# Altium PCB controller_V1.0.PcbDoc (part 8 of 8) (continued)
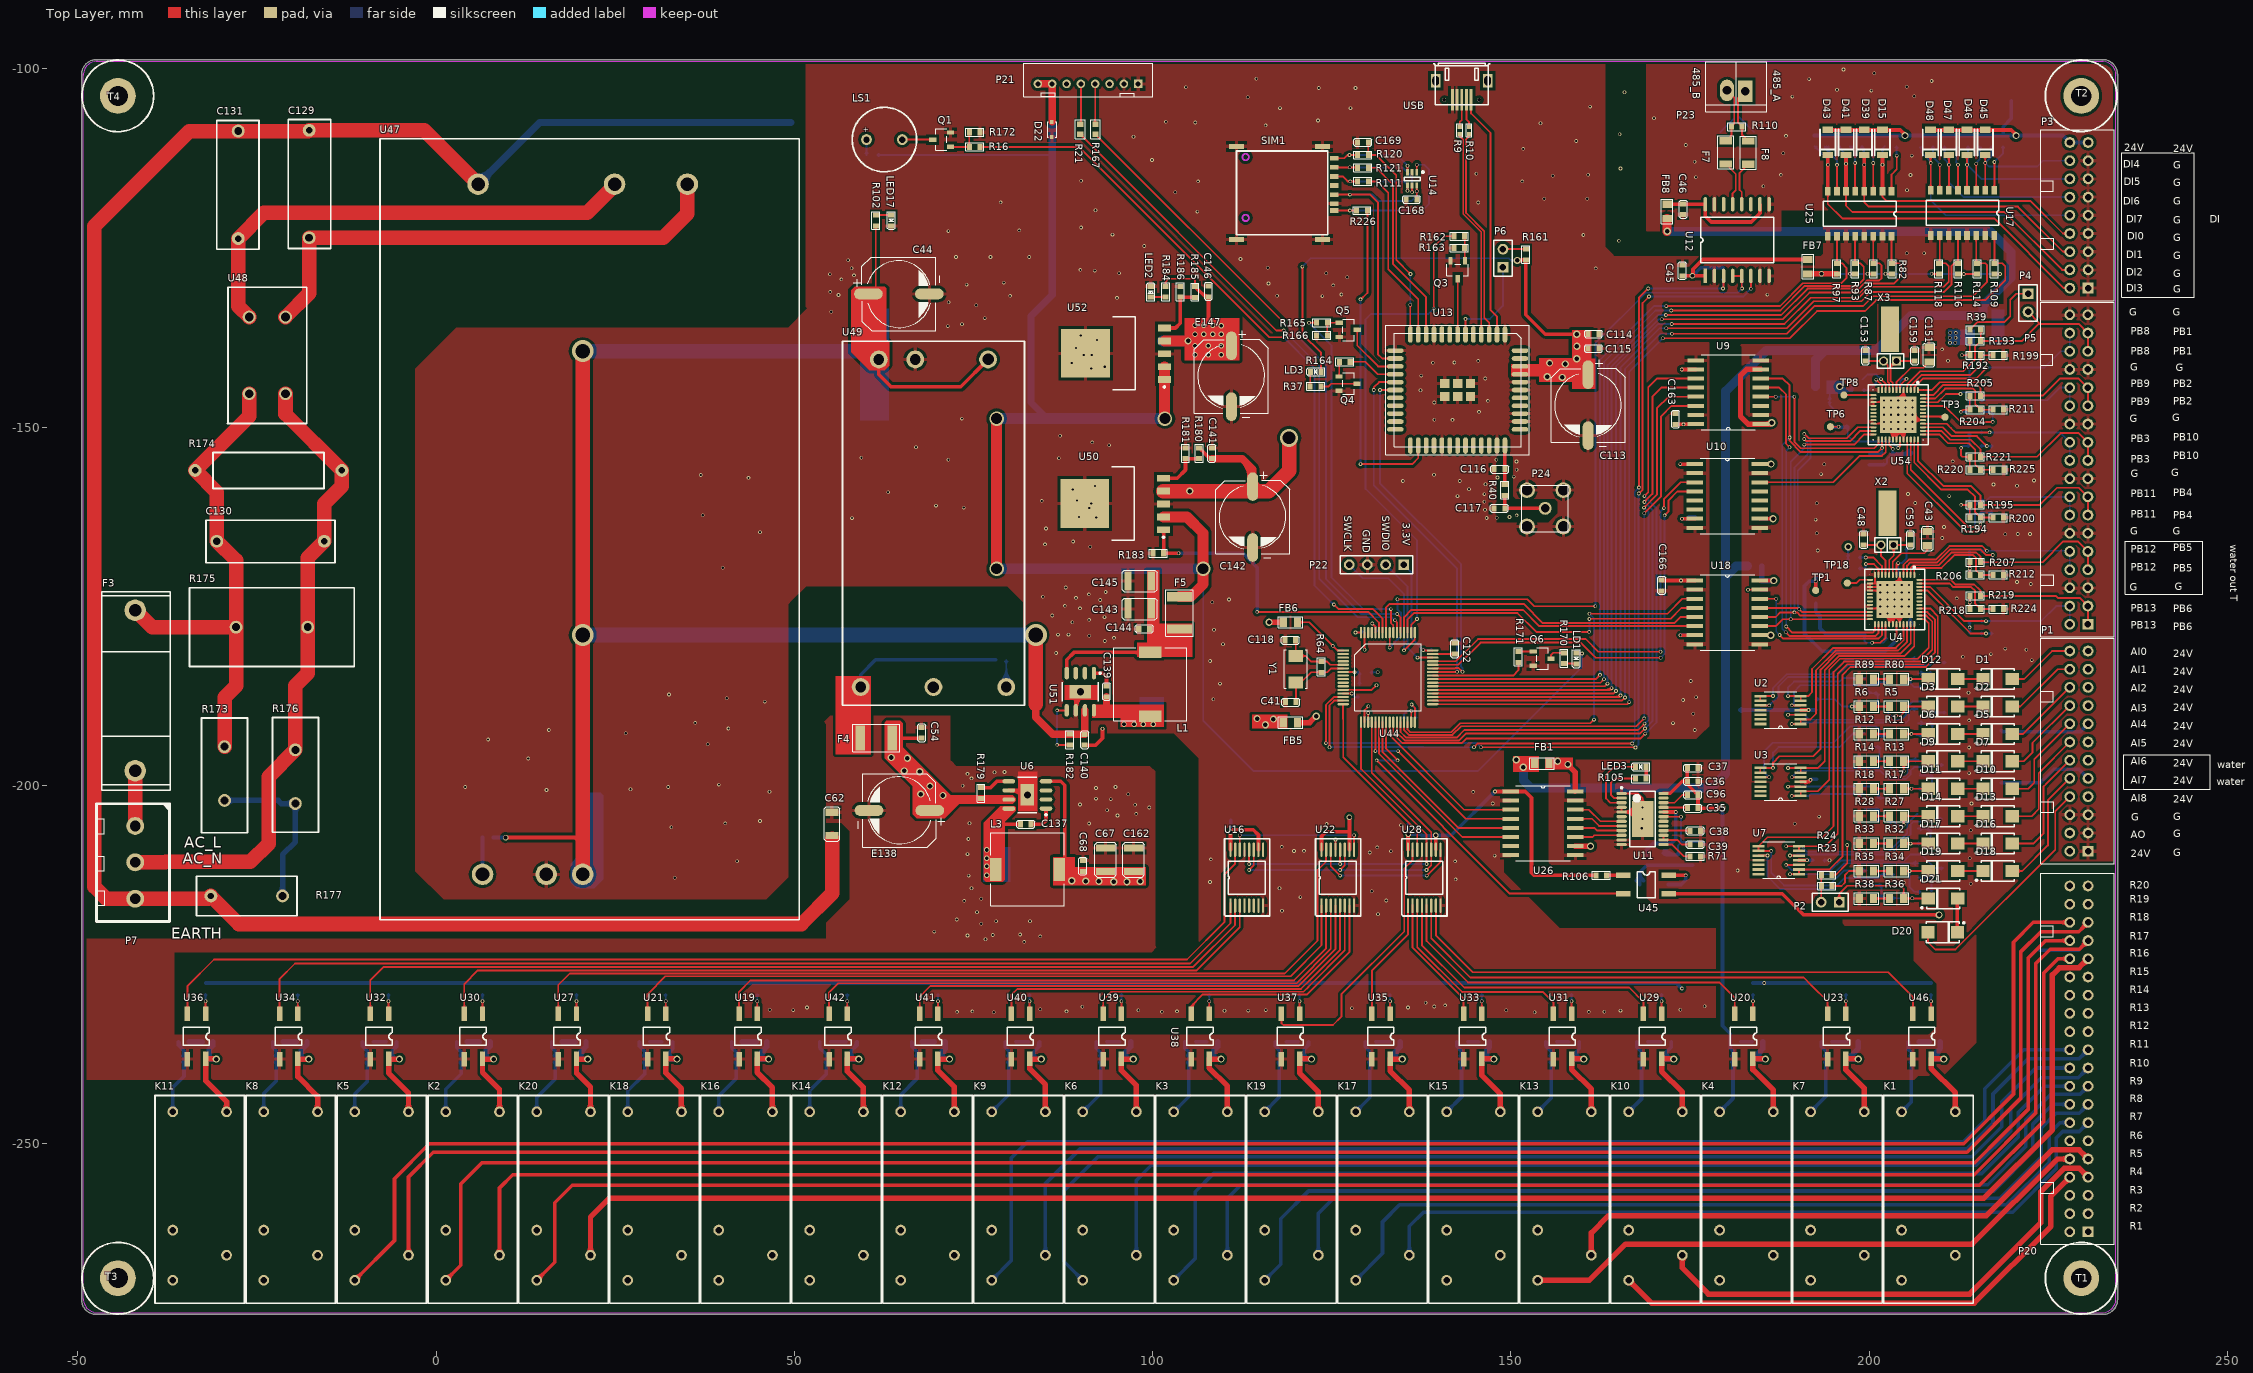
[diagram p0: Top Layer view]
## Polygon pours and split planes (outlines as drawn)
24V_F on VCC "Top Layer-No Net" (solid, pour order 1000): 226.111,-109.271 232.41,-109.271 232.588,-109.449 232.893,-109.753 232.893,-110.49 232.893,-209.245 232.639,-209.499 231.978,-210.16 231.191,-210.16 224.434,-210.16 221.793,-212.801 214.96,-219.634 214.96,-221.844 214.96,-240.589 212.903,-242.646 208.458,-247.091 205.105,-247.091 -38.938,-247.091 -40.818,-245.212 -40.564,-244.958 -40.564,-241.91 -40.564,-241.757 -39.776,-240.97 -39.421,-241.325 59.741,-241.325 59.741,-196.621 61.239,-195.123 61.824,-194.539 66.726,-194.539 68.605,-194.539 70.891,-196.825 72.136,-198.069 72.136,-202.692 72.136,-213.157 68.529,-216.764 66.015,-219.278 66.015,-231.927 66.015,-241.097 66.091,-241.173 71.069,-241.173 71.095,-241.198 133.401,-241.198 133.68,-240.919 134.569,-240.03 202.844,-240.03 206.883,-240.03 210.515,-236.398 210.388,-236.271 210.388,-221.361 210.388,-219.202 213.081,-216.51 224.079,-205.511 224.079,-202.184 224.079,-109.779 224.485,-109.372 224.587,-109.271 226.111,-109.271
5VD_F on VCC "Top Layer-No Net" (solid, pour order 1001): 155.677,-195.961 155.677,-206.172 158.826,-209.321 159.283,-209.779 163.271,-209.779 182.22,-209.779 185.395,-206.604 188.697,-203.302 188.697,-160.833 188.697,-139.268 188.163,-138.735 188.112,-138.786 184.252,-138.786 184.061,-138.786 182.956,-139.891 182.778,-140.068 182.778,-145.059 182.778,-204.241 179.527,-207.493 179.451,-207.416 164.973,-207.416 163.576,-207.416 161.341,-205.181 160.35,-204.191 160.35,-198.882 160.35,-196.723 159.842,-196.215 159.588,-195.961 155.677,-195.961
5VA on VCC "Top Layer-No Net" (solid, pour order 1002): 194.666,-143.548 194.678,-143.535 196.19,-143.535 196.418,-143.535 196.799,-143.916 196.835,-143.88 202.803,-143.88 203.236,-143.88 203.886,-143.231 204.681,-142.435 206.891,-142.435 207.434,-142.435 208.864,-143.866 208.991,-143.993 208.991,-145.009 199.923,-145.009 199.06,-145.872 198.907,-146.025 198.907,-149.581 198.907,-150.978 199.009,-151.079 200.177,-152.248 202.803,-152.248 206.654,-152.248 207.239,-152.832 207.188,-152.883 207.188,-153.949 207.188,-154.559 206.553,-155.194 206.477,-155.27 201.767,-155.27 199.771,-155.27 198.145,-156.896 197.891,-157.15 197.891,-165.811 197.891,-166.811 198.755,-167.674 199.28,-168.199 204.775,-168.199 205.74,-168.199 206.045,-168.504 205.938,-168.61 205.938,-170.113 205.926,-170.113 204.826,-171.213 204.722,-171.316 199.568,-171.316 199.568,-176.505 200,-176.936 200.889,-177.825 202.295,-177.825 203.211,-177.825 203.795,-178.41 204.013,-178.627 204.013,-179.857 204.013,-180.01 203.556,-180.467 203.2,-180.823 197.815,-180.823 197.815,-173.406 196.901,-172.491 194.691,-170.282 194.691,-143.548
3.3V_ISO_AD on VCC "Top Layer-No Net" (solid, pour order 1003): 210.185,-135.89 213.131,-135.89 213.843,-136.601 213.843,-140.335 213.843,-168.58 214.732,-169.469 214.782,-169.52 214.782,-178.638 213.233,-178.638 213.03,-178.435 213.03,-177.343 213.03,-162.281 212.522,-161.773 212.369,-161.62 212.369,-159.334 212.369,-138.963 212.217,-138.811 212.014,-138.608 211.328,-138.608 210.795,-138.608 210.668,-138.481 210.185,-137.998 210.185,-135.89
VCC_5V_ISO on VCC "Top Layer-No Net" (solid, remove dead copper, pour order 1004): 87.503,-212.344 100.355,-212.344 100.355,-221.92 101.575,-223.139 101.676,-223.037 142.57,-223.037 147.523,-223.037 150.571,-219.989 153.111,-217.449 153.111,-203.403 153.111,-201.32 151.181,-199.39 149.708,-197.917 149.708,-196.113 149.708,-196.037 150.317,-195.428 150.419,-195.326 152.349,-195.326 152.883,-195.326 153.619,-196.063 154.788,-197.231 154.788,-200.685 154.788,-219.456 150.876,-223.368 148.336,-225.908 125.552,-225.908 89.891,-225.908 88.011,-224.028 87.503,-223.52 87.503,-212.344
3.3V_ISO on VCC "Top Layer-No Net" (solid, remove dead copper, pour order 1005): 111.709,-193.472 118.262,-193.472 118.872,-192.862 119.939,-191.795 119.939,-184.633 119.939,-165.76 121.844,-163.855 122.072,-163.627 132.588,-163.627 135.484,-163.627 138.1,-166.243 144.069,-172.212 151.816,-172.212 167.183,-172.212 169.215,-174.244 172.364,-177.394 172.364,-180.442 172.364,-181.051 173.431,-182.118 175.819,-182.118 177.495,-182.118 178.079,-181.534 178.562,-181.051 178.562,-179.375 178.562,-132.423 179.197,-131.788 181.064,-129.921 195.504,-129.921 219.05,-129.921 219.786,-129.184 220.015,-128.956 220.015,-126.771 177.927,-126.771 175.412,-129.286 172.212,-132.486 172.212,-142.392 172.212,-167.03 171.653,-167.589 170.79,-168.453 157.582,-168.453 147.879,-168.453 139.852,-160.426 137.947,-158.521 128.041,-158.521 119.431,-158.521 116.357,-155.448 113.386,-152.476 113.386,-141.453 113.386,-134.595 111.343,-132.552 110.998,-132.207 102.718,-132.207 102.286,-132.207 100.127,-134.366 99.492,-135.001 99.492,-140.284 99.492,-147.348 103.985,-151.841 111.963,-159.819 111.963,-193.472
VBAT on VCC "Top Layer-No Net" (solid, remove dead copper, pour order 1006): 118.44,-153.822 157.302,-153.822 161.265,-149.86 161.569,-149.555 161.569,-135.357 161.366,-135.357 159.283,-133.274 156.337,-133.274 155.651,-133.274 154.762,-134.163 153.086,-135.839 153.086,-139.217 153.086,-147.98 151.587,-149.479 151.308,-149.758 132.055,-149.758 117.17,-149.758 116.611,-150.317 116.51,-150.419 116.51,-151.994 116.51,-153.264 116.992,-153.746 117.069,-153.822 118.44,-153.822
3.3V_MCU on VCC "Top Layer-No Net" (solid, remove dead copper, pour order 1007): 124.714,-178.054 124.765,-178.105 135.026,-178.105 137.185,-178.105 137.897,-178.816 138.811,-179.73 138.811,-182.169 138.811,-190.856 138.074,-191.592 137.592,-192.075 127.203,-192.075 122.784,-192.075 122.225,-191.516 121.641,-190.932 121.641,-187.884 121.641,-180.111 123.342,-178.41 123.698,-178.054 124.714,-178.054
VCC_5V_ISO on VCC "Top Layer-No Net" (solid, remove dead copper, pour order 1008): 152.984,-195.428 149.936,-195.428 149.555,-195.809 149.301,-196.063 149.301,-197.104 149.301,-218.313 148.26,-219.354 147.269,-220.345 142.164,-220.345 101.93,-220.345 100.889,-219.304 100.381,-218.796 100.381,-212.75 100.381,-212.42 99.517,-211.557 99.39,-211.43 94.945,-211.43 86.817,-211.43 86.36,-211.887 85.877,-212.369 85.877,-213.538 85.877,-223.977 88.341,-226.441 89.535,-226.441 148.438,-226.441 153.213,-221.666 154.864,-220.015 154.864,-198.603 154.864,-197.307 152.883,-195.326
GND on GND "Top Layer-No Net" (solid, remove dead copper, pour order 1000): 194.64,-124.714 216.256,-124.714 216.256,-128.981 215.519,-129.718 215.265,-129.972 209.601,-129.972 200.709,-129.972 196.989,-133.692 195.223,-135.458 187.071,-135.458 180.467,-135.458 179.191,-136.734 177.648,-138.278 177.648,-148.996 177.648,-191.745 176.428,-192.964 175.895,-193.497 174.396,-193.497 150.618,-193.497 148.941,-195.174 148.996,-195.229 148.996,-200.025 148.996,-212.115 151.232,-214.351 156.794,-219.913 167.64,-219.913 178.587,-219.913 178.587,-232.41 -32.944,-232.41 -33.909,-231.445 -33.909,-227.914 -33.909,-227.051 103.073,-227.051 105.232,-224.892 106.426,-223.698 106.426,-213.944 106.426,-196.215 102.946,-192.735 86.15,-192.735 85.065,-192.735 82.728,-190.398 81.966,-189.636 81.966,-186.868 81.966,-174.473 79.66,-172.167 79.641,-172.187 56.693,-172.187 51.664,-172.187 49.581,-174.269 49.149,-174.701 49.149,-203.708 49.149,-212.827 47.066,-214.909 46.05,-215.925 9.677,-215.925 1.041,-215.925 -2.829,-212.055 -2.896,-211.988 -2.896,-141.859 2.845,-136.119 49.149,-136.119 51.816,-133.452 51.587,-133.223 51.587,-100.584 51.587,-96.926 52.273,-96.241 57.506,-91.008 159.36,-91.008 160.858,-89.51 163.144,-91.796 163.144,-102.616 163.144,-124.841 164.183,-125.88 164.44,-126.136 193.218,-126.136 194.64,-124.714
AGND on GND "Top Layer-No Net" (solid, remove dead copper, pour order 1010): 168.986,-89.611 169.393,-89.205 242.062,-89.205 242.062,-111.201 247.04,-116.18 246.837,-116.383 246.837,-208.534 243.307,-208.534 240.411,-211.43 239.7,-210.718 228.346,-210.718 224.409,-210.718 221.869,-213.258 214.147,-220.98 214.147,-225.628 214.147,-236.601 210.947,-239.801 209.855,-240.894 206.934,-240.894 -57.709,-240.894 -60.833,-237.769 -62.154,-236.449 -62.154,-222.301 -59.893,-222.301 -58.572,-220.98 -56.921,-219.329 7.315,-219.329 51.232,-219.329 53.797,-216.764 54.051,-216.51 54.051,-186.309 54.051,-183.337 55.651,-181.737 55.829,-181.559 69.901,-181.559 72.111,-181.559 72.72,-182.169 73.965,-183.413 73.965,-189.586 73.965,-193.015 76.505,-195.555 78.537,-197.587 86.995,-197.587 100.711,-197.587 101.067,-197.942 100.99,-198.018 100.99,-203.759 100.99,-222.58 100.025,-223.545 96.749,-223.545 -35.103,-223.545 -36.043,-224.485 -36.347,-224.79 -36.347,-225.984 -36.347,-234.036 -35.992,-234.391 -35.662,-234.721 -34.188,-234.721 207.924,-234.721 209.372,-233.274 209.398,-233.248 209.398,-227.559 209.398,-226.289 207.975,-224.866 206.502,-223.393 206.502,-219.888 206.4,-219.888 205.969,-219.456 200.05,-219.456 196.545,-219.456 196.113,-219.024 196.317,-218.821 196.317,-217.272 196.317,-217.043 195.834,-216.56 195.605,-216.332 193.192,-216.332 169.397,-216.332 169.012,-215.947 169.012,-214.249 169.012,-211.455 168.554,-210.998 168.529,-210.972 164.49,-210.972 156.239,-210.972 155.448,-210.182 155.448,-200.378 155.448,-198.78 157.328,-196.901 157.607,-196.621 163.855,-196.621 180.696,-196.621 181.864,-195.453 182.245,-195.072 182.245,-194.283 182.245,-139.903 183.388,-138.76 183.718,-138.43 186.106,-138.43 200.05,-138.43 200.939,-137.541 200.939,-133.96 200.939,-133.629 201.701,-132.867 201.752,-132.817 217.449,-132.817 217.88,-132.817 218.821,-131.876 218.821,-120.775 218.821,-120.498 218.11,-119.786 218.034,-119.71 210.947,-119.71 189.408,-119.71 188.468,-120.65 188.087,-121.031 188.087,-121.996 188.087,-122.047 187.096,-123.038 187.046,-122.987 185.522,-122.987 169.886,-122.987 168.859,-121.96 168.554,-121.655 168.554,-97.917 168.554,-95.961 169.901,-94.615 175.311,-89.205 181.432,-89.205
GND on Top Layer "Top Layer-No Net" (solid, remove dead copper, pour order 1003): 193.573,-122.047 216.789,-122.047 217.373,-122.631 217.472,-122.73 217.472,-124.689 217.472,-128.501 216.459,-129.515 215.923,-130.05 210.767,-130.05 193.774,-130.05 193.523,-130.302 193.573,-130.251 193.573,-122.047
AGND on Top Layer "Top Layer-No Net" (solid, remove dead copper, pour order 1002): 206.883,-240.513 210.337,-240.513 210.947,-239.903 214.935,-235.915 214.935,-232.207 214.935,-219.177 217.551,-216.56 223.495,-210.617 233.989,-210.617 236.753,-210.617 237.058,-210.312 250.419,-196.952 250.419,-106.375 250.419,-104.343 230.175,-84.099 227.203,-87.071 176.479,-87.071 173.507,-87.071 171.348,-89.23 168.91,-91.669 168.91,-106.375 168.91,-122.606 168.859,-122.657 187.729,-122.657 187.729,-119.789 187.757,-119.761 218.796,-119.761 218.796,-132.842 218.821,-132.867 201.113,-132.867 201.113,-138.256 200.939,-138.43 199.466,-138.43 182.122,-138.43 181.991,-138.561 182.245,-138.815 182.245,-196.458 156.119,-196.458 155.651,-196.926 155.27,-197.307 155.27,-199.06 155.27,-210.744 155.448,-210.922 155.6,-211.074 158.14,-211.074 168.783,-211.074 168.986,-211.277 168.961,-211.303 168.961,-212.877 168.961,-215.722 169.52,-216.281 169.697,-216.459 179.578,-216.459 196.012,-216.459 196.139,-216.586 196.317,-216.764 196.317,-219.126 196.317,-219.278 196.545,-219.507 196.621,-219.583 203.352,-219.583 205.613,-219.583 206.172,-220.142 206.223,-220.193 206.223,-222.961 206.223,-224.485 207.543,-225.806 209.398,-227.66 209.398,-230.454 209.398,-233.68 208.559,-234.518 208.28,-234.798 207.543,-234.798 -36.5,-234.798 -36.551,-234.848 -36.551,-223.266 99.847,-223.266 100.533,-222.58 100.355,-222.402 100.355,-214.757 100.355,-198.069 99.619,-197.333 79.502,-197.333 72.619,-197.333 71.958,-196.672 71.755,-196.469 71.755,-190.322 54.991,-190.322 54.153,-191.16 54.483,-191.491 54.483,-221.386 -58.166,-221.386 -58.344,-221.564 -58.598,-221.818 -58.598,-236.245 -54.839,-236.245 -50.14,-240.944 -50.267,-241.071 -50.267,-241.122 206.273,-241.122 206.883,-240.513
GND on Top Layer "Top Layer-No Net" (solid, remove dead copper, pour order 1001): 194.64,-124.714 216.256,-124.714 216.256,-128.981 215.519,-129.718 215.265,-129.972 209.601,-129.972 200.709,-129.972 196.989,-133.692 195.223,-135.458 187.071,-135.458 180.467,-135.458 179.191,-136.734 177.648,-138.278 177.648,-148.996 177.648,-191.745 176.428,-192.964 175.895,-193.497 174.396,-193.497 150.618,-193.497 148.941,-195.174 148.996,-195.229 148.996,-200.025 148.996,-212.115 151.232,-214.351 156.794,-219.913 167.64,-219.913 178.587,-219.913 178.587,-232.41 -32.944,-232.41 -33.909,-231.445 -33.909,-227.914 -33.909,-227.051 103.073,-227.051 105.232,-224.892 106.426,-223.698 106.426,-213.944 106.426,-196.215 102.946,-192.735 86.15,-192.735 85.065,-192.735 82.728,-190.398 81.966,-189.636 81.966,-186.868 81.966,-174.473 79.66,-172.167 79.641,-172.187 56.693,-172.187 51.664,-172.187 49.581,-174.269 49.149,-174.701 49.149,-203.708 49.149,-212.827 47.066,-214.909 46.05,-215.925 9.677,-215.925 1.041,-215.925 -2.829,-212.055 -2.896,-211.988 -2.896,-141.859 2.845,-136.119 49.149,-136.119 51.816,-133.452 51.587,-133.223 51.587,-100.584 51.587,-96.926 52.273,-96.241 57.506,-91.008 159.36,-91.008 160.858,-89.51 163.144,-91.796 163.144,-102.616 163.144,-124.841 164.183,-125.88 164.44,-126.136 193.218,-126.136 194.64,-124.714
GND on Bottom Layer "Top Layer-No Net" (solid, remove dead copper, pour order 1004): 194.64,-124.714 216.256,-124.714 216.256,-128.981 215.519,-129.718 215.265,-129.972 209.601,-129.972 200.709,-129.972 196.989,-133.692 195.223,-135.458 187.071,-135.458 180.467,-135.458 179.191,-136.734 177.648,-138.278 177.648,-148.996 177.648,-191.745 176.428,-192.964 175.895,-193.497 174.396,-193.497 150.618,-193.497 148.941,-195.174 148.996,-195.229 148.996,-200.025 148.996,-212.115 151.232,-214.351 156.794,-219.913 167.64,-219.913 178.587,-219.913 178.587,-232.41 -32.944,-232.41 -33.909,-231.445 -33.909,-227.914 -33.909,-227.051 103.073,-227.051 105.232,-224.892 106.426,-223.698 106.426,-213.944 106.426,-196.215 102.946,-192.735 86.15,-192.735 85.065,-192.735 82.728,-190.398 81.966,-189.636 81.966,-186.868 81.966,-174.473 79.66,-172.167 79.641,-172.187 56.693,-172.187 51.664,-172.187 49.581,-174.269 49.149,-174.701 49.149,-203.708 49.149,-212.827 47.066,-214.909 46.05,-215.925 9.677,-215.925 1.041,-215.925 -2.829,-212.055 -2.896,-211.988 -2.896,-141.859 2.845,-136.119 49.149,-136.119 51.816,-133.452 51.587,-133.223 51.587,-100.584 51.587,-96.926 52.273,-96.241 57.506,-91.008 159.36,-91.008 160.858,-89.51 163.144,-91.796 163.144,-102.616 163.144,-124.841 164.183,-125.88 164.44,-126.136 193.218,-126.136 194.64,-124.714
AGND on Bottom Layer "Top Layer-No Net" (solid, remove dead copper, pour order 1014): 168.986,-89.611 169.393,-89.205 242.062,-89.205 242.062,-111.201 247.04,-116.18 246.837,-116.383 246.837,-208.534 243.307,-208.534 240.411,-211.43 239.7,-210.718 228.346,-210.718 224.409,-210.718 221.869,-213.258 214.147,-220.98 214.147,-225.628 214.147,-236.601 210.947,-239.801 209.855,-240.894 206.934,-240.894 -57.709,-240.894 -60.833,-237.769 -62.154,-236.449 -62.154,-222.301 -59.893,-222.301 -58.572,-220.98 -56.921,-219.329 7.315,-219.329 51.232,-219.329 53.797,-216.764 54.051,-216.51 54.051,-186.309 54.051,-183.337 55.651,-181.737 55.829,-181.559 69.901,-181.559 72.111,-181.559 72.72,-182.169 73.965,-183.413 73.965,-189.586 73.965,-193.015 76.505,-195.555 78.537,-197.587 86.995,-197.587 100.711,-197.587 101.067,-197.942 100.99,-198.018 100.99,-203.759 100.99,-222.58 100.025,-223.545 96.749,-223.545 -35.103,-223.545 -36.043,-224.485 -36.347,-224.79 -36.347,-225.984 -36.347,-234.036 -35.992,-234.391 -35.662,-234.721 -34.188,-234.721 207.924,-234.721 209.372,-233.274 209.398,-233.248 209.398,-227.559 209.398,-226.289 207.975,-224.866 206.502,-223.393 206.502,-219.888 206.4,-219.888 205.969,-219.456 200.05,-219.456 196.545,-219.456 196.113,-219.024 196.317,-218.821 196.317,-217.272 196.317,-217.043 195.834,-216.56 195.605,-216.332 193.192,-216.332 169.397,-216.332 169.012,-215.947 169.012,-214.249 169.012,-211.455 168.554,-210.998 168.529,-210.972 164.49,-210.972 156.239,-210.972 155.448,-210.182 155.448,-200.378 155.448,-198.78 157.328,-196.901 157.607,-196.621 163.855,-196.621 180.696,-196.621 181.864,-195.453 182.245,-195.072 182.245,-194.283 182.245,-139.903 183.388,-138.76 183.718,-138.43 186.106,-138.43 200.05,-138.43 200.939,-137.541 200.939,-133.96 200.939,-133.629 201.701,-132.867 201.752,-132.817 217.449,-132.817 217.88,-132.817 218.821,-131.876 218.821,-120.775 218.821,-120.498 218.11,-119.786 218.034,-119.71 210.947,-119.71 189.408,-119.71 188.468,-120.65 188.087,-121.031 188.087,-121.996 188.087,-122.047 187.096,-123.038 187.046,-122.987 185.522,-122.987 169.886,-122.987 168.859,-121.96 168.554,-121.655 168.554,-97.917 168.554,-95.961 169.901,-94.615 175.311,-89.205 181.432,-89.205

## Keep-outs
Keep-Out Layer:
  lines w0.127: -49.244,-100.933 cw(c-47.244,-100.933) -47.244,-98.933 ; -49.228,-271.755 -49.228,-100.736 ; -49.219,-271.628 ccw(c-47.219,-271.628) -47.219,-273.628 232.594,-273.628 ; -47.424,-98.933 232.689,-98.933 ; 232.442,-273.628 ccw(c232.442,-271.628) 234.442,-271.628 ; 232.461,-98.933 cw(c232.461,-100.933) 234.461,-100.933 ; 234.442,-271.781 234.442,-100.686

## Other copper
Top Layer:
  rectangle net AGND: 81.184,-203.556 83.936,-198.044
  rectangle net GND: 87.681,-188.062 92.413,-185.979
  rectangle net VBAT: 159.461,-144.704 161.798,-140.462
  rectangle net VBAT: 158.496,-144.704 161.265,-136.449
  rectangle net VBAT: 153.899,-143.713 161.087,-140.386
  rectangle net VBAT: 150.038,-142.951 154.153,-141.173
  rectangle net NetC143_1: 99.184,-177.775 100.962,-169.975
  rectangle net NetC143_1: 99.184,-182.093 105.534,-177.394
  rectangle net NetC143_1: 97.787,-182.093 105.534,-180.061
  rectangle net NetC139_1: 95.501,-191.872 101.597,-188.697
  rectangle net NetC139_1: 91.564,-190.602 96.898,-188.697
  rectangle net VCC_5V_ISO: 86.103,-213.97 89.151,-210.033
  rectangle net VCC_5V_ISO: 89.151,-213.97 99.057,-211.43
  rectangle net NetF4_1: 55.75,-195.682 60.703,-184.76
  rectangle net 5VD_F: 154.737,-197.79 158.674,-196.126
  rectangle net VCC_5V_ISO: 150.292,-198.171 153.924,-195.936
  rectangle net 3.3V_ISO: 104.419,-140.691 112.141,-134.772
  rectangle net 3.3V_ISO: 113.868,-192.062 118.847,-190.094
  pour cut-out: 56.566,-205.207 57.76,-206.4 57.76,-215.875 53.111,-220.523 52.248,-220.523 50.749,-219.024 50.749,-208.178 53.721,-205.207
  region net NetC137_1: 78.737,-202.921 76.451,-205.207 76.451,-213.208 76.705,-213.462 79.118,-213.462 79.372,-213.208 79.372,-205.08 80.896,-203.556 80.896,-203.048 80.769,-202.921
  region net 24V_F: 62.608,-196.19 66.545,-200.127 66.545,-204.064 67.053,-204.572 70.99,-204.572 73.022,-202.54 80.515,-202.54 80.896,-202.159 80.896,-201.778 80.515,-201.397 71.857,-201.397 65.148,-194.688 65.148,-191.364 64.767,-190.983 62.862,-190.983 62.608,-191.237
  region net 24V_IN: 58.417,-130.404 62.608,-130.404 62.862,-130.658 62.862,-137.77 63.243,-138.151 63.243,-141.453 62.608,-142.088 60.449,-142.088 57.909,-139.548 57.909,-130.912
  pour cut-out: 148.082,-154.102 148.031,-154.153 148.031,-163.271 155.245,-163.271 156.464,-162.052 156.464,-160.401 156.108,-160.045 156.105,-160.049 150.676,-160.049 150.266,-159.639 150.266,-154.229 150.139,-154.102
VCC:
  rectangle net 3.3V_ISO: 111.811,-206.172 119.939,-187.604
Bottom Layer:
  rectangle net NetC139_1: 95.501,-191.872 101.597,-190.729
  rectangle net NetC139_1: 98.168,-191.872 101.597,-187.681
  rectangle net NetC137_1: 76.324,-213.462 80.134,-208.636
  rectangle net 24V_IN: 59.179,-149.073 63.243,-133.452
  rectangle net 5VA: 194.056,-145.39 196.545,-143.51
  rectangle net NetD72_1: 217.094,-138.379 218.897,-133.617
  rectangle net 3.3V_ISO_AD: 210.978,-138.548 214.757,-136.373
  region net 24V_IN: 19.936,-201.016 19.936,-209.779 18.793,-210.922 18.793,-213.589 19.555,-214.351 22.095,-214.351 23.365,-213.081 23.365,-201.397 22.984,-201.016

## Silkscreen, mask and mechanical layers (free items; w line width, h text height)
Top Overlay:
  lines w0.127: 235.229,-131.902 235.229,-111.735 245.339,-111.735 245.339,-131.902 235.229,-131.902 ; 235.509,-200.558 235.509,-195.707 247.625,-195.707 247.625,-200.558 235.509,-200.558 ; 235.763,-173.355 235.763,-165.938 246.532,-165.938 246.532,-173.355 235.763,-173.355
  text "485_B" at 175.412,-99.847 h1.02 r270
  text "485_A" at 186.588,-100.178 h1.02 r270
  text "24V" at 235.61,-111.506 h1.02
  text "24V" at 242.468,-111.658 h1.02
  text "DI4" at 235.458,-113.792 h1.02
  text "G" at 242.468,-113.944 h1.02
  text "DI5" at 235.56,-116.256 h1.02
  text "G" at 242.468,-116.383 h1.02
  text "DI6" at 235.483,-118.974 h1.02
  text "G" at 242.468,-118.974 h1.02
  text "DI" at 247.498,-121.463 h1.02
  text "DI7" at 235.864,-121.488 h1.02
  text "G" at 242.468,-121.641 h1.02
  text "DI0" at 235.991,-123.85 h1.02
  text "G" at 242.468,-124.104 h1.02
  text "DI1" at 235.89,-126.467 h1.02
  text "G" at 242.468,-126.594 h1.02
  text "DI2" at 235.89,-128.854 h1.02
  text "G" at 242.468,-129.108 h1.02
  text "DI3" at 235.864,-131.089 h1.02
  text "G" at 242.468,-131.267 h1.02
  text "G" at 236.322,-134.442 h1.02
  text "G" at 242.367,-134.468 h1.02
  text "PB8" at 236.474,-137.109 h1.02
  text "PB1" at 242.468,-137.185 h1.02
  text "PB1" at 242.468,-139.878 h1.02
  text "PB8" at 236.474,-139.929 h1.02
  text "G" at 236.423,-142.138 h1.02
  text "G" at 242.773,-142.215 h1.02
  text "PB9" at 236.474,-144.424 h1.02
  text "PB2" at 242.468,-144.475 h1.02
  text "PB2" at 242.468,-146.914 h1.02
  text "PB9" at 236.474,-146.99 h1.02
  text "G" at 242.291,-149.2 h1.02
  text "G" at 236.398,-149.301 h1.02
  text "PB10" at 242.468,-151.943 h1.02
  text "PB3" at 236.474,-152.121 h1.02
  text "PB10" at 242.443,-154.483 h1.02
  text "PB3" at 236.474,-155.016 h1.02
  text "G" at 242.138,-156.87 h1.02
  text "G" at 236.499,-156.997 h1.02
  text "PB4" at 242.468,-159.69 h1.02
  text "PB11" at 236.474,-159.817 h1.02
  text "SWDIO" at 132.08,-162.382 h1.02 r270
  text "SWCLK" at 126.721,-162.408 h1.02 r270
  text "PB11" at 236.474,-162.636 h1.02
  text "PB4" at 242.468,-162.763 h1.02
  text "3.3V" at 134.874,-163.322 h1.02 r270
  text "GND" at 129.337,-164.313 h1.02 r270
  text "G" at 236.423,-165.049 h1.02
  text "G" at 242.341,-165.049 h1.02
  text "water out T" at 250.419,-166.421 h1.02 r270
  text "water in T" at 252.781,-166.497 h1.02 r270
  text "PB5" at 242.468,-167.361 h1.02
  text "PB12" at 236.474,-167.538 h1.02
  text "PB12" at 236.474,-170.078 h1.02
  text "PB5" at 242.468,-170.205 h1.02
  text "G" at 242.621,-172.796 h1.02
  text "G" at 236.398,-172.822 h1.02
  text "PB13" at 236.474,-175.743 h1.02
  text "PB6" at 242.468,-175.844 h1.02
  text "PB13" at 236.474,-178.13 h1.02
  text "PB6" at 242.468,-178.359 h1.02
  text "AI0" at 236.474,-181.839 h1.02
  text "24V" at 242.468,-182.118 h1.02
  text "AI1" at 236.474,-184.379 h1.02
  text "24V" at 242.468,-184.633 h1.02
  text "AI2" at 236.474,-186.969 h1.02
  text "24V" at 242.468,-187.173 h1.02
  text "24V" at 242.468,-189.687 h1.02
  text "AI3" at 236.474,-189.713 h1.02
  text "AI4" at 236.474,-191.999 h1.02
  text "24V" at 242.468,-192.253 h1.02
  text "AI5" at 236.474,-194.615 h1.02
  text "24V" at 242.468,-194.716 h1.02
  text "AI6" at 236.474,-197.104 h1.02
  text "24V" at 242.468,-197.434 h1.02
  text "water out pressure" at 248.59,-197.612 h1.02
  text "AI7" at 236.474,-199.796 h1.02
  text "24V" at 242.468,-199.847 h1.02
  text "water in pressure" at 248.488,-199.974 h1.02
  text "AI8" at 236.474,-202.286 h1.02
  text "24V" at 242.468,-202.413 h1.02
  text "G" at 242.468,-204.876 h1.02
  text "G" at 236.576,-204.978 h1.02
  text "G" at 242.468,-207.213 h1.02
  text "AO" at 236.474,-207.366 h1.02
  text "AC_L" at -35.154,-208.737 h1.52
  text "G" at 242.468,-209.906 h1.02
  text "24V" at 236.474,-210.007 h1.02
  text "AC_N" at -35.382,-210.947 h1.52
  text "R20" at 236.347,-214.401 h1.02
  text "R19" at 236.347,-216.357 h1.02
  text "R18" at 236.347,-218.897 h1.02
  text "EARTH" at -36.982,-221.412 h1.52
  text "R17" at 236.347,-221.539 h1.02
  text "R16" at 236.347,-223.926 h1.02
  text "R15" at 236.347,-226.492 h1.02
  text "R14" at 236.347,-229.032 h1.02
  text "R13" at 236.347,-231.521 h1.02
  text "R12" at 236.347,-234.036 h1.02
  text "R11" at 236.347,-236.601 h1.02
  text "R10" at 236.347,-239.243 h1.02
  text "R9" at 236.347,-241.783 h1.02
  text "R8" at 236.347,-244.246 h1.02
  text "R7" at 236.347,-246.761 h1.02
  text "R6" at 236.347,-249.377 h1.02
  text "R5" at 236.347,-251.892 h1.02
  text "R4" at 236.347,-254.432 h1.02
  text "R3" at 236.347,-256.972 h1.02
  text "R2" at 236.347,-259.486 h1.02
  text "R1" at 236.347,-262.001 h1.02
Bottom Overlay:
  text "LCD_RX" at 89.991,-104.546 h1.02 r90
  text "5V" at 86.563,-104.623 h1.02 r90
  text "LCD_TX" at 92.456,-104.648 h1.02 r90
  text "GND" at 98.552,-104.724 h1.02 r90
  text "24V" at 234.236,-110.82 h1.02
  text "24V" at 225.552,-110.846 h1.02
  text "DI4" at 225.4,-113.132 h1.02
  text "G" at 232.613,-113.284 h1.02
  text "DI5" at 225.501,-115.595 h1.02
  text "G" at 232.715,-115.722 h1.02
  text "DI6" at 225.425,-118.313 h1.02
  text "G" at 232.867,-118.313 h1.02
  text "DI7" at 225.806,-120.828 h1.02
  text "G" at 232.893,-120.98 h1.02
  text "DI0" at 225.933,-123.19 h1.02
  text "G" at 232.893,-123.444 h1.02
  text "DI1" at 225.831,-125.806 h1.02
  text "G" at 232.918,-125.933 h1.02
  text "DI2" at 225.831,-128.194 h1.02
  text "G" at 232.969,-128.448 h1.02
  text "DI3" at 225.806,-130.429 h1.02
  text "G" at 233.045,-131.089 h1.02
  text "PB8" at 226.949,-136.881 h1.02
  text "PB1" at 234.21,-137.414 h1.02
  text "PB1" at 234.21,-139.852 h1.02
  text "PB8" at 226.974,-140.005 h1.02
  text "PB9" at 226.771,-144.932 h1.02
  text "PB2" at 234.21,-145.085 h1.02
  text "PB9" at 226.822,-147.168 h1.02
  text "PB2" at 234.21,-147.523 h1.02
  text "PB10" at 232.918,-151.714 h1.02 r90
  text "PB3" at 226.924,-152.806 h1.02
  text "PB3" at 227,-155.143 h1.02
  text "PB11" at 226.822,-160.172 h1.02
  text "PB4" at 234.21,-160.299 h1.02
  text "PB4" at 234.21,-162.89 h1.02
  text "PB11" at 226.898,-163.195 h1.02
  text "PB12" at 226.924,-167.665 h1.02
  text "PB5" at 234.21,-167.894 h1.02
  text "PB5" at 234.21,-170.383 h1.02
  text "PB12" at 227.025,-170.917 h1.02
  text "PB13" at 226.797,-175.489 h1.02
  text "PB6" at 234.21,-175.59 h1.02
  text "PB13" at 226.797,-177.876 h1.02
  text "PB6" at 234.21,-178.105 h1.02
  text "AI0" at 226.39,-181.585 h1.02
  text "24V" at 234.226,-181.864 h1.02
  text "AI1" at 226.365,-184.125 h1.02
  text "24V" at 234.226,-184.379 h1.02
  text "AI2" at 226.416,-186.715 h1.02
  text "24V" at 234.226,-186.919 h1.02
  text "24V" at 234.226,-189.433 h1.02
  text "AI3" at 226.416,-189.459 h1.02
  text "AI4" at 226.314,-191.745 h1.02
  text "24V" at 234.226,-191.999 h1.02
  text "AI5" at 226.238,-194.361 h1.02
  text "24V" at 234.226,-194.462 h1.02
  text "AI6" at 226.263,-196.85 h1.02
  text "24V" at 234.226,-197.18 h1.02
  text "AI7" at 226.314,-199.542 h1.02
  text "24V" at 234.226,-199.593 h1.02
  text "AI8" at 226.974,-202.032 h1.02
  text "24V" at 234.226,-202.159 h1.02
  text "G" at 232.74,-204.622 h1.02
  text "G" at 232.715,-206.959 h1.02
  text "AO" at 226.797,-207.112 h1.02
  text "G" at 232.918,-209.652 h1.02
  text "24V" at 226.771,-209.753 h1.02
  text "R20" at 226.924,-214.427 h1.02
  text "R19" at 234.226,-217.195 h1.02
  text "R18" at 234.226,-219.735 h1.02
  text "R17" at 234.226,-222.377 h1.02
  text "R16" at 233.985,-224.765 h1.02
  text "R15" at 234.226,-227.33 h1.02
  text "R14" at 234.226,-229.87 h1.02
  text "R13" at 234.226,-232.359 h1.02
  text "R12" at 233.985,-234.874 h1.02
  text "R11" at 233.731,-237.439 h1.02
  text "R10" at 234.226,-240.081 h1.02
  text "R9" at 233.324,-242.621 h1.02
  text "R8" at 233.426,-245.085 h1.02
  text "R7" at 233.426,-247.599 h1.02
  text "R6" at 233.502,-250.215 h1.02
  text "R5" at 233.35,-252.73 h1.02
  text "R4" at 233.299,-255.27 h1.02
  text "R3" at 233.324,-257.81 h1.02
  text "R2" at 233.35,-260.325 h1.02
  text "R1" at 233.147,-262.839 h1.02
Mechanical 1:
  lines w0.127: -49.406,-100.781 cw(c-47.406,-100.781) -47.406,-98.781 ; -49.406,-100.762 -49.406,-271.781 ccw(c-47.406,-271.781) -47.406,-273.781 ; -47.634,-273.781 232.594,-273.781 ccw(c232.594,-271.781) 234.594,-271.781 234.594,-100.686 ; -47.424,-98.781 232.689,-98.781 ; 22.733,-110.465 40.869,-110.465 40.869,-127.864 ; 22.784,-110.465 18.821,-110.465 18.821,-117.653 20.752,-117.653 20.752,-112.395 21.895,-112.395 38.837,-112.395 38.837,-127.864 19.939,-127.864 19.939,-129.769 40.869,-129.769 40.869,-127.076 ; 215.748,-219.939 223.495,-212.192 224.742,-210.944 225.476,-210.944 ; 215.752,-219.934 ccw(c216.12,-220.383) 215.671,-220.751 215.952,-221.031 ; 215.91,-220.986 ccw(c216.359,-220.618) 216.728,-221.067 217.412,-220.383 225.4,-212.395 231.013,-212.395 231.394,-212.395 ; 225.222,-210.944 233.172,-210.944 233.172,-212.75 233.172,-214.935 ; 231.369,-212.395 cw(c231.407,-212.941) 231.953,-212.903 231.953,-214.96 ccw(c232.499,-214.922) 232.537,-215.468 232.664,-215.468 ; 232.594,-98.781 cw(c232.594,-100.781) 234.594,-100.781 ; 233.172,-214.884 cw(c232.626,-214.922) 232.664,-215.468 ; 232.664,-215.468 232.664,-215.468 ; -46.05,-213.512 -44.78,-213.512 -44.78,-195.072 -38.938,-195.072 -38.938,-193.548 -46.05,-193.548 -46.05,-195.885 -46.05,-206.146 -46.05,-213.512

## Dimensions
-49.406,-271.781 to 234.594,-271.781 on Keep-Out Layer
-47.634,-273.781 to -47.424,-98.781 on Keep-Out Layer

## Text inside footprints (layer, text, board x,y; h text height)
LS1: Top Overlay "+" at 59.713,-108.077 h0.76 r270